# Altium PCB Dahlia Carrier Board.PcbDoc (part 1 of 10) (continued)
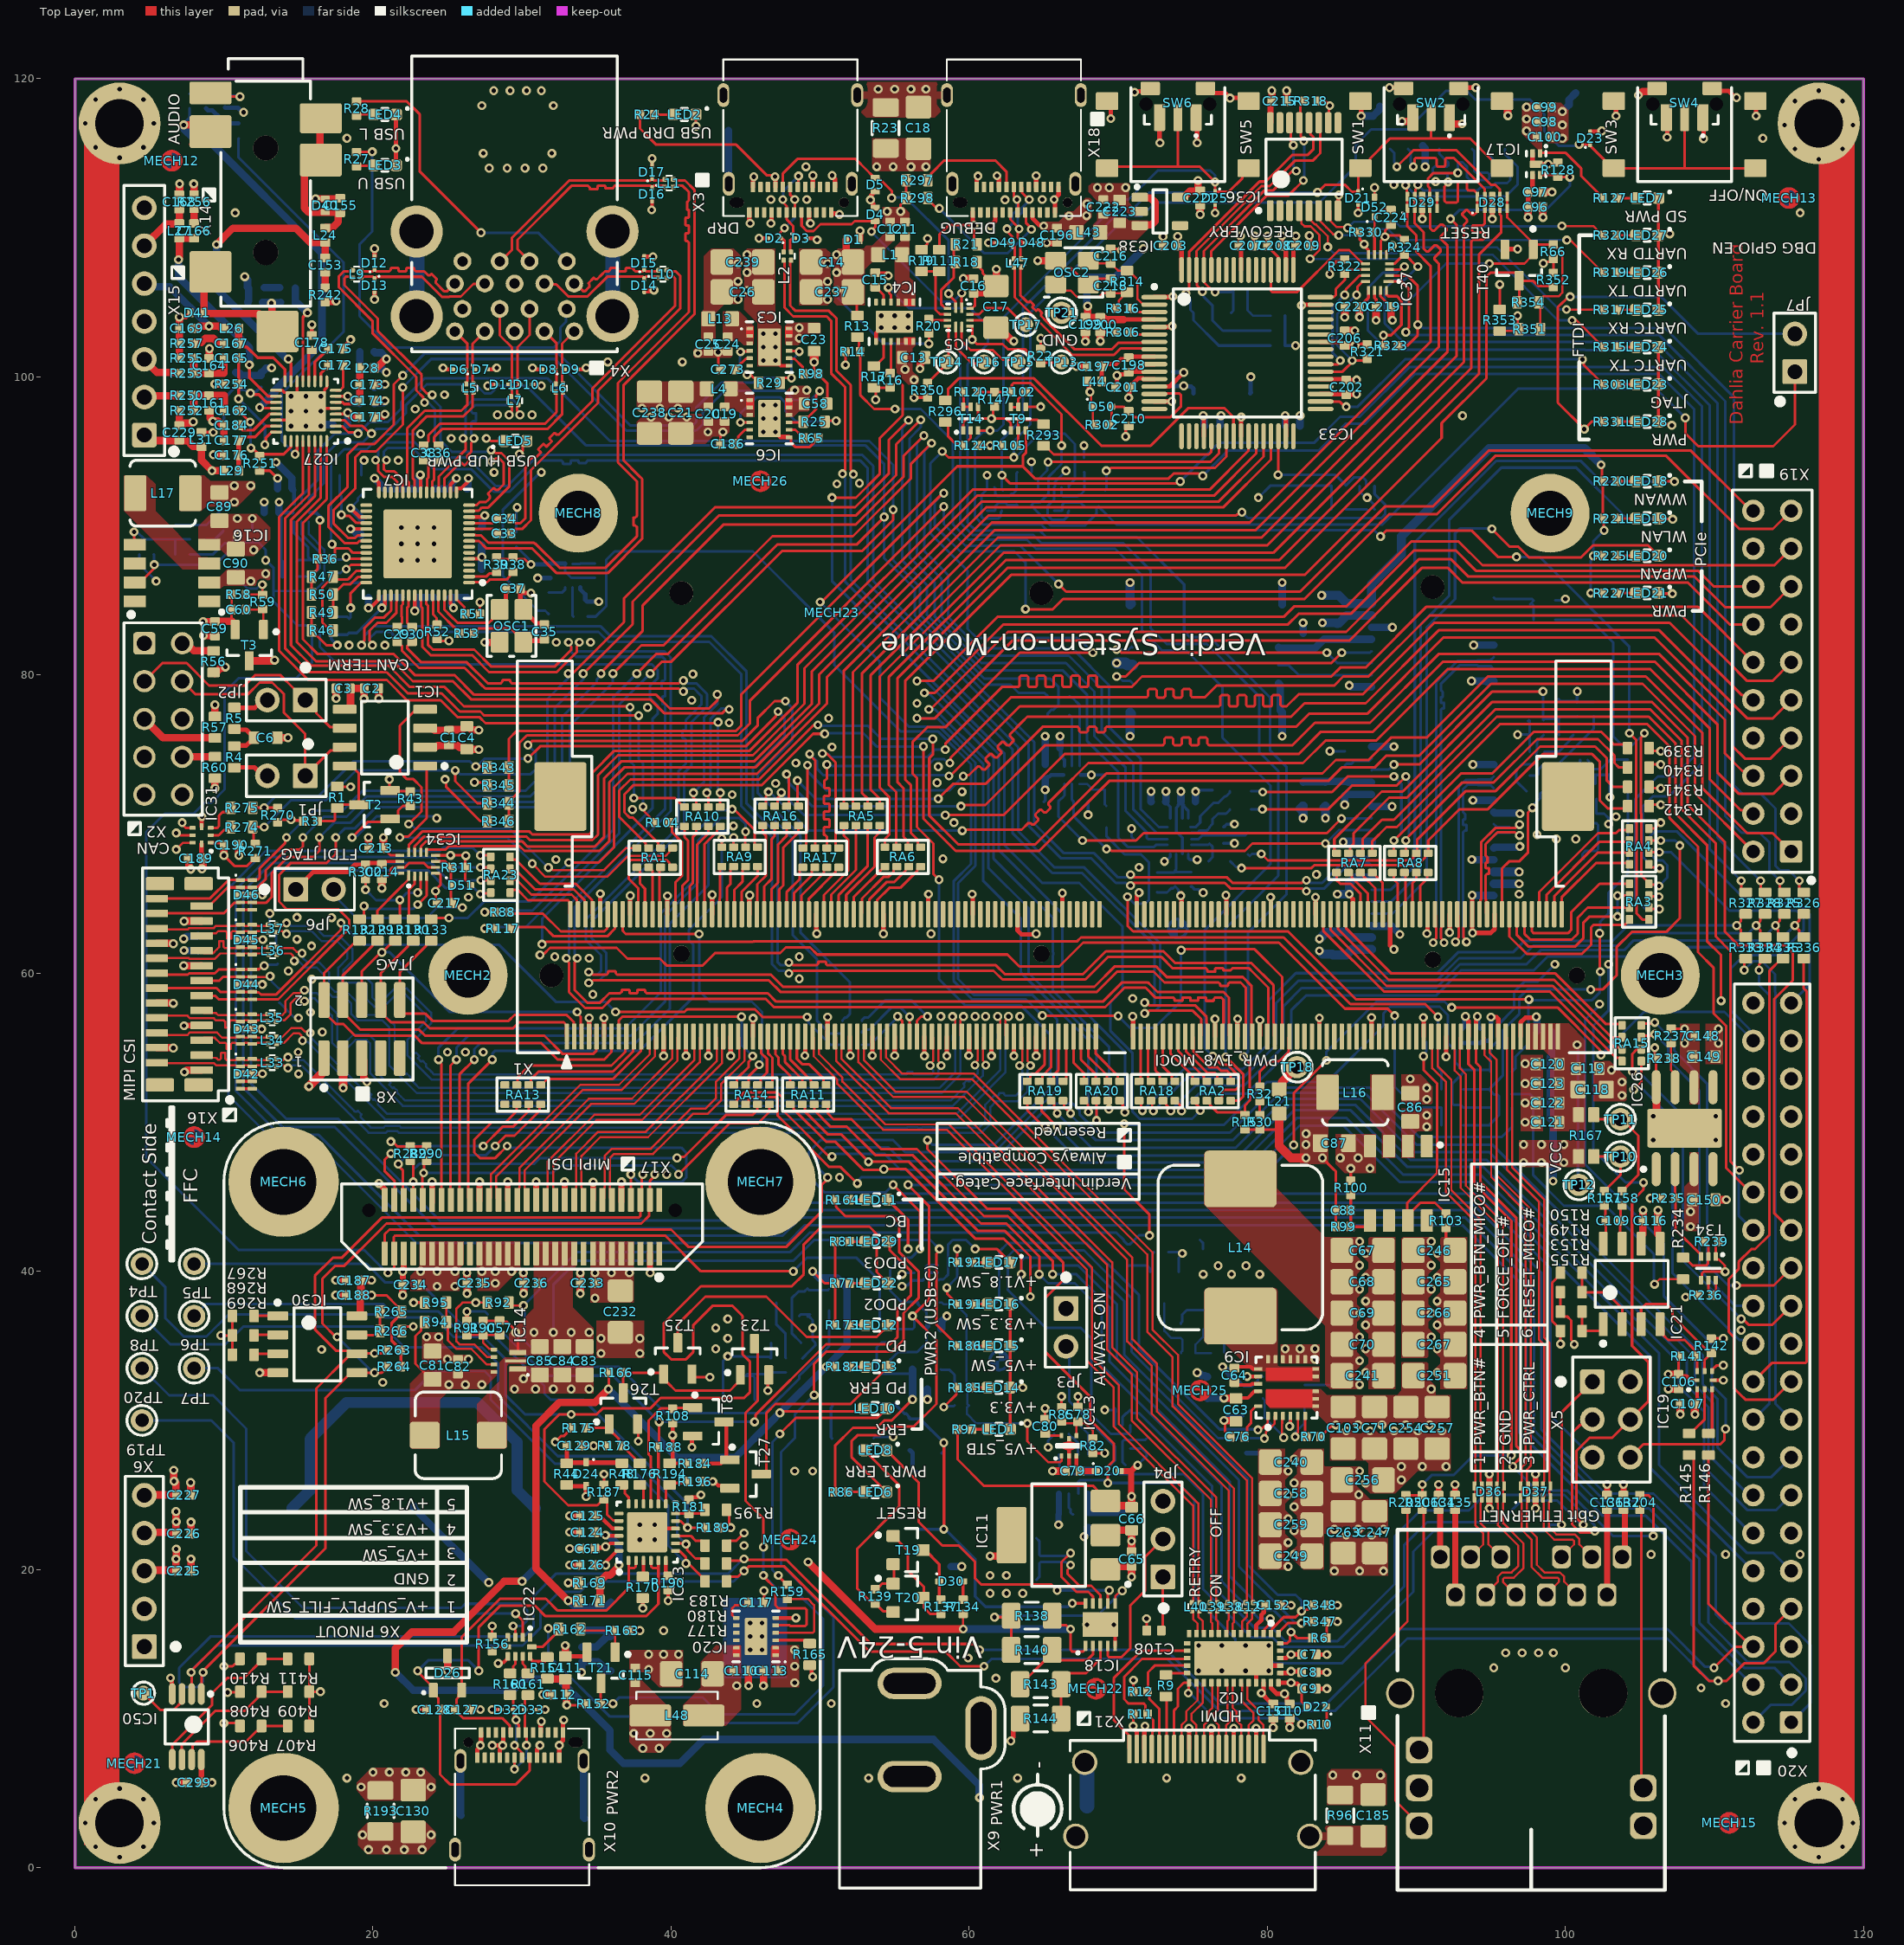
[diagram p0: Top Layer view]
## Classes and differential pairs (continued)
differential pair DSI_1_CLK: +DSI_1_CLK_P -DSI_1_CLK_N
differential pair HDMI_1_TXD2: +HDMI_1_TXD2_P -HDMI_1_TXD2_N
differential pair HDMI_1_TXD2_L: +HDMI_1_TXD2_L_P -HDMI_1_TXD2_L_N
differential pair HDMI_1_TXD2_CON: +HDMI_1_TXD2_CON_P -HDMI_1_TXD2_CON_N
differential pair HDMI_1_TXD1: +HDMI_1_TXD1_P -HDMI_1_TXD1_N
differential pair HDMI_1_TXD1_L: +HDMI_1_TXD1_L_P -HDMI_1_TXD1_L_N
differential pair HDMI_1_TXD1_CON: +HDMI_1_TXD1_CON_P -HDMI_1_TXD1_CON_N
differential pair HDMI_1_TXD0: +HDMI_1_TXD0_P -HDMI_1_TXD0_N
differential pair HDMI_1_TXD0_L: +HDMI_1_TXD0_L_P -HDMI_1_TXD0_L_N
differential pair HDMI_1_TXD0_CON: +HDMI_1_TXD0_CON_P -HDMI_1_TXD0_CON_N
differential pair HDMI_1_TXC: +HDMI_1_TXC_P -HDMI_1_TXC_N
differential pair HDMI_1_TXC_L: +HDMI_1_TXC_L_P -HDMI_1_TXC_L_N
differential pair HDMI_1_TXC_CON: +HDMI_1_TXC_CON_P -HDMI_1_TXC_CON_N
differential pair CSI_1_D3_CON: +CSI_1_D3_CON_P -CSI_1_D3_CON_N
differential pair CSI_1_D2_CON: +CSI_1_D2_CON_P -CSI_1_D2_CON_N
differential pair CSI_1_D1_CON: +CSI_1_D1_CON_P -CSI_1_D1_CON_N
differential pair CSI_1_D0_CON: +CSI_1_D0_CON_P -CSI_1_D0_CON_N
differential pair CSI_1_CLK_CON: +CSI_1_CLK_CON_P -CSI_1_CLK_CON_N
differential pair USBH3_SSTX_C: +USBH3_SSTX_C_P -USBH3_SSTX_C_N
differential pair USBH2_SSTX_C: +USBH2_SSTX_C_P -USBH2_SSTX_C_N
differential pair USB_2_SSRX_C: +USB_2_SSRX_C_P -USB_2_SSRX_C_N
differential pair USBH3_SSTX_CON: +USBH3_SSTX_CON_P -USBH3_SSTX_CON_N
differential pair USBH3_SSRX_CON: +USBH3_SSRX_CON_P -USBH3_SSRX_CON_N
differential pair USBH3_D_CON: +USBH3_D_CON_P -USBH3_D_CON_N
differential pair USBH2_SSTX_CON: +USBH2_SSTX_CON_P -USBH2_SSTX_CON_N
differential pair USBH2_SSRX_CON: +USBH2_SSRX_CON_P -USBH2_SSRX_CON_N
differential pair USBH2_D_CON: +USBH2_D_CON_P -USBH2_D_CON_N
differential pair USB_1_D_CON: +USB_1_D_CON_P -USB_1_D_CON_N
differential pair USBH3_D: +USBH3_D_P -USBH3_D_N
differential pair USBH4_D: +USBH4_D_P -USBH4_D_N
differential pair USBH3_SSTX: +USBH3_SSTX_P -USBH3_SSTX_N
differential pair USBH3_SSRX: +USBH3_SSRX_P -USBH3_SSRX_N
differential pair USB_DBG_CON: +USB_DBG_CON_P -USB_DBG_CON_N
differential pair USBH2_SSTX: +USBH2_SSTX_P -USBH2_SSTX_N
differential pair USBH2_SSRX: +USBH2_SSRX_P -USBH2_SSRX_N
differential pair USBH2_D: +USBH2_D_P -USBH2_D_N
differential pair USB_DBG: +USB_DBG_P -USB_DBG_N
differential pair USB_2_SSTX: +USB_2_SSTX_P -USB_2_SSTX_N
differential pair USB_2_SSRX: +USB_2_SSRX_P -USB_2_SSRX_N
differential pair USB_2_D: +USB_2_D_P -USB_2_D_N
differential pair USB_1_D: +USB_1_D_P -USB_1_D_N
differential pair PCIE_1_L0_TX: +PCIE_1_L0_TX_P -PCIE_1_L0_TX_N
differential pair PCIE_1_L0_RX: +PCIE_1_L0_RX_P -PCIE_1_L0_RX_N
differential pair PCIE_1_CLK: +PCIE_1_CLK_P -PCIE_1_CLK_N
differential pair ETH_1_MDI3: +ETH_1_MDI3_P -ETH_1_MDI3_N
differential pair ETH_1_MDI2: +ETH_1_MDI2_P -ETH_1_MDI2_N
differential pair ETH_1_MDI1: +ETH_1_MDI1_P -ETH_1_MDI1_N
differential pair ETH_1_MDI0: +ETH_1_MDI0_P -ETH_1_MDI0_N
differential pair CSI_1_D3: +CSI_1_D3_P -CSI_1_D3_N
differential pair CSI_1_D2: +CSI_1_D2_P -CSI_1_D2_N
differential pair CSI_1_D1: +CSI_1_D1_P -CSI_1_D1_N
differential pair CSI_1_D0: +CSI_1_D0_P -CSI_1_D0_N
differential pair CSI_1_CLK: +CSI_1_CLK_P -CSI_1_CLK_N

## Components (designator, comment, footprint, x,y, rotation, side; value= is the part's Value field where it differs from the comment)
BAT1 "Keystone-3000" T_KEYSTONE_3000 22.73,24.1 r0 bottom locked
C1 "100nF" CAPC1005X60N 25.1,75.8 r90 top locked
C2 "100nF" CAPC1005X60N 19.9,79.1 r180 top locked
C3 "1uF" CAPC1005X60N 18,79.1 r0 top locked
C4 "10uF" T_CAPC0603X33N 26.3,75.8 r90 top locked
C6 "4.7nF" T_CAPC0603X33N 12.8,75.8 r180 top locked
C7 "100nF" CAPC1005X60N 82.8,14.3 r180 top locked
C8 "100nF" CAPC1005X60N 82.8,13.1 r0 top locked
C9 "100nF" CAPC1005X60N 82.8,12 r180 top locked
C10 "100nF" CAPC1005X60N 81.5,10.5 r90 top locked
C11 "100nF" CAPC1005X60N 55.7,109.9 r270 top locked
C12 "1nF" CAPC1005X60N 54.7,109.9 r270 top locked
C13 "10uF" T_CAPC0603X33N 56.275,101.3 r180 top locked
C14 "100uF" T_CAPC1206X60N 50.797,107.7 r0 top locked
C15 "10nF" CAPC1005X60N 53.7,106.5 r270 top locked
C16 "100nF" CAPC1005X60N 60.3,106.1 r270 top locked
C17 "10uF" T_CAPC1206X60N 61.8,104.7 r90 top locked
C18 "1nF" T_CAPC1206X180N 56.6,116.7 r90 top locked
C19 "100nF" CAPC1005X60N 43.6,97.5 r90 top locked
C20 "1nF" CAPC1005X60N 42.5,97.5 r90 top locked
C21 "100uF" T_CAPC1206X60N 40.652,97.606 r90 top locked
C22 "1nF" T_CAPC1206X180N 30.9,116.6 r90 bottom locked
C23 "10uF" T_CAPC0603X33N 49.6,102.5 r90 top locked
C24 "100nF" CAPC1005X60N 43.8,102.2 r90 top locked
C25 "1nF" CAPC1005X60N 42.5,102.2 r90 top locked
C26 "100uF" T_CAPC1206X60N 44.8,105.7 r180 top locked
C27 "100nF" CAPC1005X60N 31.9,87 r90 bottom locked
C28 "10uF" CAPC1005X60N 18.5,85.7 r270 bottom locked
C29 "100nF" CAPC1005X60N 21.625,82.725 r270 top locked
C30 "100nF" CAPC1005X60N 22.625,82.725 r270 top locked
C31 "100nF" CAPC1005X60N 13.2,90.9 r0 bottom locked
C32 "100nF" CAPC1005X60N 14.1,92.5 r0 bottom locked
C33 "100nF" CAPC1005X60N 28.8,89.5 r180 top locked
C34 "100nF" CAPC1005X60N 28.8,90.5 r180 top locked
C35 "12pF" CAPC1005X60N 31.5,82.9 r90 top locked
C36 "100nF" CAPC1005X60N 24.4,94.9 r270 top locked
C37 "12pF" CAPC1005X60N 29.4,85.8 r0 top locked
C38 "100nF" CAPC1005X60N 23.4,94.9 r270 top locked
C39 "100nF" CAPC1005X60N 25.2,92 r90 bottom locked
C40 "100nF" CAPC1005X60N 19.7,90.5 r180 bottom locked
C41 "100nF" CAPC1005X60N 21.9,85.7 r270 bottom locked
C42 "100nF" CAPC1005X60N 26.3,85.7 r270 bottom locked
C43 "1nF" CAPC1005X60N 20.8,85.7 r270 bottom locked
C44 "1nF" CAPC1005X60N 25.2,85.7 r270 bottom locked
C45 "4.7uF" CAPC1005X60N 24.1,92 r90 bottom locked
C46 "10uF" CAPC1005X60N 26.8,87.1 r0 bottom locked
C47 "100nF" CAPC1005X60N 26.8,88.7 r0 bottom locked
C48 "100nF" CAPC1005X60N 26.8,89.9 r0 bottom locked
C49 "100nF" CAPC1005X60N 26.3,92 r90 bottom locked
C50 "100nF" CAPC1005X60N 23,92 r90 bottom locked
C51 "100nF" CAPC1005X60N 21.9,92 r90 bottom locked
C52 "100nF" CAPC1005X60N 20.8,92 r90 bottom locked
C53 "100nF" CAPC1005X60N 19.7,89.4 r180 bottom locked
C54 "100nF" CAPC1005X60N 24.1,85.7 r270 bottom locked
C55 "1nF" CAPC1005X60N 19.7,85.7 r270 bottom locked
C56 "1nF" CAPC1005X60N 23,85.7 r270 bottom locked
C57 "12pF" CAPC1005X60N 28.5,36.2 r270 top locked
C58 "10uF" T_CAPC0603X33N 49.7,98.2 r180 top locked
C59 "4.7uF" CAPC1005X60N 9.4,83.1 r90 top locked
C60 "100nF" CAPC1005X60N 11,84.4 r180 top locked
C61 "1uF" CAPC1005X60N 34.4,21.4 r180 top locked
C62 "100nF" CAPC1005X60N 68,23.3 r90 bottom locked
C63 "4.7uF" T_CAPC0603X33N 77.9,30.7 r90 top locked
C64 "100nF" CAPC1005X60N 77.8,33.025 r270 top locked
C65 "100nF" CAPC1005X60N 70.9,20.7 r270 top locked
C66 "10uF" T_CAPC0603X33N 70.9,23.4 r90 top locked
C67 "100uF" T_CAPC1206X60N 86.4,41.4 r180 top locked
C68 "100uF" T_CAPC1206X60N 86.4,39.3 r180 top locked
C69 "100uF" T_CAPC1206X60N 86.4,37.2 r180 top locked
C70 "100uF" T_CAPC1206X60N 86.4,35.1 r180 top locked
C71 "10uF" T_CAPC1206X60N 87.2,29.5 r90 top locked
C72 "10uF" T_CAPC1206X60N 81.6,22.9 r0 bottom locked
C73 "10nF" CAPC1005X60N 66.5,23.7 r0 bottom locked
C74 "1uF" CAPC1005X60N 66.2,29.1 r0 bottom locked
C76 "100nF" CAPC1005X60N 78,28.9 r0 top locked
C77 "100nF" CAPC1005X60N 56.7,32.1 r0 bottom locked
C78 "1uF" CAPC1005X60N 67.3,30.4 r270 top locked
C79 "4.7uF" CAPC1005X60N 66.95,26.6 r0 top locked
C80 "1nF" CAPC1005X60N 65.1,29.6 r270 top locked
C81 "22uF" T_CAPC0805X125N 24,33.7 r270 top locked
C82 "100nF" CAPC1005X60N 25.7,33.6 r270 top locked
C83 "22uF" T_CAPC0805X125N 34.2,34 r90 top locked
C84 "22uF" T_CAPC0805X125N 32.7,34 r90 top locked
C85 "22uF" T_CAPC0805X125N 31.2,34 r90 top locked
C86 "22uF" T_CAPC0805X125N 89.6,51 r270 top locked
C87 "22uF" T_CAPC0805X125N 84.5,48.6 r180 top locked
C88 "100pF" CAPC1005X60N 85.1,44.1 r180 top locked
C89 "22uF" T_CAPC0805X125N 9.7,91.3 r90 top locked
C90 "22uF" T_CAPC0805X125N 10.8,87.5 r270 top locked
C91 "100pF" CAPC1005X60N 7.734,89.594 r90 bottom locked
C92 "10nF" CAPC1005X60N 76.7,34.5 r0 bottom locked
C93 "10uF" T_CAPC1206X60N 36.6,36.4 r90 bottom locked
C94 "10nF" CAPC1005X60N 46.7,33.7 r90 bottom locked
C95 "10uF" T_CAPC1206X60N 48.9,24 r270 bottom locked
C96 "10uF" CAPC1005X60N 98,111.4 r180 top locked
C97 "100nF" CAPC1005X60N 98,112.4 r180 top locked
C98 "1nF" CAPC1005X60N 98.6,117.1 r180 top locked
C99 "100nF" CAPC1005X60N 98.6,118.1 r180 top locked
C100 "100pF" CAPC1005X60N 98.6,116.1 r180 top locked
C101 "10uF" T_CAPC1206X60N 87.2,22.5 r90 bottom locked
C102 "10uF" T_CAPC1206X60N 81.6,27.1 r0 bottom locked
C103 "10uF" T_CAPC1206X60N 85.1,29.5 r90 top locked
C104 "5.6nF" T_CAPC1206X180N 52.2,28.8 r180 bottom locked
C105 "100nF" CAPC1005X60N 58.3,20.2 r180 bottom locked
C106 "100nF" CAPC1005X60N 107.6,32.6 r90 top locked
C107 "100nF" CAPC1005X60N 108.2,31.1 r0 top locked
C108 "100nF" CAPC1005X60N 72.4,15.9 r180 top locked
C109 "100nF" CAPC1005X60N 103.2,43.4 r180 top locked
C110 "100nF" CAPC1005X60N 44.7,13.2 r180 top locked
C111 "4.7uF" T_CAPC0603X33N 32.9,13.4 r270 top locked
C112 "100nF" CAPC1005X60N 32.5,11.6 r0 top locked
C113 "100nF" CAPC1005X60N 46.7,13.2 r180 top locked
C114 "10uF" T_CAPC1206X60N 41.4,13 r0 top locked
C115 "100nF" CAPC1005X60N 37.6,12.9 r270 top locked
C116 "100nF" CAPC1005X60N 105.7,43.4 r0 top locked
C117 "10nF" CAPC1005X60N 45.7,17.8 r180 top locked
C118 "22uF" T_CAPC0805X125N 101.8,52.2 r180 top locked
C119 "4.7uF" T_CAPC0603X33N 101.5,53.6 r180 top locked
C120 "4.7uF" T_CAPC0603X33N 98.8,53.9 r0 top locked
C121 "4.7uF" T_CAPC0603X33N 98.8,50 r0 top locked
C122 "4.7uF" T_CAPC0603X33N 98.8,51.3 r0 top locked
C123 "4.7uF" T_CAPC0603X33N 98.8,52.6 r0 top locked
C124 "100nF" CAPC1005X60N 34.4,22.5 r0 top locked
C125 "1uF" CAPC1005X60N 34.4,23.6 r180 top locked
C126 "100nF" CAPC1005X60N 34.4,20.3 r0 top locked
C127 "330pF" CAPC1005X60N 26.01,10.6 r180 top locked
C128 "330pF" CAPC1005X60N 24.1,10.6 r0 top locked
C129 "1uF" CAPC1005X60N 33.5,28.3 r0 top locked
C130 "1nF" T_CAPC1206X180N 22.7,3.8 r270 top locked
C131 "100nF" CAPC1005X60N 34,14.3 r270 bottom locked
C132 "10uF" T_CAPC0603X33N 34,16.7 r90 bottom locked
C133 "1nF" CAPC1005X60N 94.3,55.8 r90 bottom locked
C134 "100nF" CAPC1005X60N 91.5,24.5 r90 top locked
C135 "100nF" CAPC1005X60N 92.6,24.5 r90 top locked
C136 "100nF" CAPC1005X60N 102.8,24.5 r90 top locked
C137 "100nF" CAPC1005X60N 103.9,24.5 r90 top locked
C138 "1nF" T_CAPC1206X180N 98.7,11.8 r270 bottom locked
C139 "100nF" CAPC1005X60N 65.1,73.5 r270 bottom locked
C140 "100nF" CAPC1005X60N 65.6,75.1 r0 bottom locked
C141 "10uF" CAPC1005X60N 98.048,76.976 r0 bottom locked
C142 "10uF" T_CAPC0603X33N 102.2,69.2 r0 bottom locked
C143 "100nF" CAPC1005X60N 101.6,70.7 r0 bottom locked
C144 "47uF" T_CAPC0805X125N 98.1,67.5 r270 bottom locked
C145 "47uF" T_CAPC0805X125N 84.7,84.4 r90 bottom locked
C146 "10uF" T_CAPC0603X33N 99.7,67.2 r270 bottom locked
C147 "10uF" T_CAPC0603X33N 84.4,62 r270 bottom locked
C148 "100nF" CAPC1005X60N 109.2,55.8 r180 top locked
C149 "10uF" T_CAPC0603X33N 109.3,54.4 r180 top locked
C150 "10uF" T_CAPC0603X33N 109.3,44.8 r180 top locked
C151 "1uF" CAPC1005X60N 80.4,10.5 r90 top locked
C152 "1uF" CAPC1005X60N 80.4,17.6 r0 top locked
C153 "100nF" CAPC1005X60N 16.8,107.5 r90 top locked
C154 "100nF" CAPC1005X60N 14.3,106 r0 bottom locked
C155 "470pF" CAPC1005X60N 17.8,111.5 r270 top locked
C156 "470pF" CAPC1005X60N 12.1,105 r0 bottom locked
C157 "4.7uF" CAPC1005X60N 8.5,115.9 r0 bottom locked
C158 "1uF" CAPC1005X60N 11,116.49 r90 bottom locked
C159 "470pF" CAPC1005X60N 7.7,118.5 r90 bottom locked
C161 "220pF" CAPC1005X60N 9,98.25 r90 top locked
C162 "10uF" CAPC1005X60N 10.51,97.75 r0 top locked
C164 "220pF" CAPC1005X60N 9,100.75 r270 top locked
C165 "10uF" CAPC1005X60N 10.5,101.25 r0 top locked
C166 "100nF" CAPC1005X60N 8,109.8 r270 top locked
C167 "100nF" CAPC1005X60N 10.5,102.25 r0 top locked
C168 "470pF" CAPC1005X60N 7,111.74 r270 top locked
C169 "470pF" CAPC1005X60N 7.5,103.25 r0 top locked
C170 "4.7uF" CAPC1005X60N 17.8,96.8 r0 bottom locked
C171 "100nF" CAPC1005X60N 19.6,97.3 r180 top locked
C172 "2.2uF" CAPC1005X60N 17.5,100.8 r0 top locked
C173 "4.7uF" CAPC1005X60N 19.6,99.5 r180 top locked
C174 "100nF" CAPC1005X60N 19.6,98.4 r180 top locked
C175 "4.7uF" CAPC1005X60N 17.5,101.9 r180 top locked
C176 "2.2uF" CAPC1005X60N 10.49,94.75 r0 top locked
C177 "100nF" CAPC1005X60N 10.5,95.75 r0 top locked
C178 "4.7uF" CAPC1005X60N 15.9,102.3 r270 top locked
C179 "4.7uF" CAPC1005X60N 19.6,100.6 r180 bottom locked
C180 "100nF" CAPC1005X60N 19.6,99.3 r180 bottom locked
C181 "1nF" CAPC1005X60N 19.6,98.2 r180 bottom locked
C182 "4.7uF" CAPC1005X60N 12.5,99.8 r270 bottom locked
C183 "100nF" CAPC1005X60N 10.8,99.8 r270 bottom locked
C184 "4.7uF" CAPC1005X60N 10.5,96.75 r0 top locked
C185 "1nF" T_CAPC1206X180N 87.1,3.5 r270 top locked
C186 "10nF" CAPC1005X60N 43.8,95.5 r0 top locked
C187 "100nF" CAPC1005X60N 18.7,39.4 r0 top locked
C188 "1uF" CAPC1005X60N 18.7,38.4 r0 top locked
C189 "100nF" CAPC1005X60N 8.1,67.7 r0 top locked
C190 "100nF" CAPC1005X60N 10.5,68.6 r180 top locked
C191 "100nF" CAPC1005X60N 72.7,71.5 r0 bottom locked
C192 "100nF" CAPC1005X60N 74.7,71.5 r180 bottom locked
C193 "100nF" CAPC1005X60N 8.25,63 r90 bottom locked
C194 "100nF" CAPC1005X60N 8.25,61 r270 bottom locked
C195 "10uF" CAPC1005X60N 74.9,66.3 r270 bottom locked
C196 "1nF" CAPC1005X60N 65.9,109.5 r90 top locked
C197 "4.7uF" CAPC1005X60N 68.4,100.7 r0 top locked
C198 "100nF" CAPC1005X60N 70.7,100.8 r90 top locked
C199 "4.7uF" CAPC1005X60N 67.8,103.51 r90 top locked
C200 "100nF" CAPC1005X60N 68.8,103.5 r90 top locked
C201 "100nF" CAPC1005X60N 70.3,99.3 r0 top locked
C202 "100nF" CAPC1005X60N 85.3,99.3 r90 top locked
C203 "100nF" CAPC1005X60N 73.5,108.8 r0 top locked
C204 "100nF" CAPC1005X60N 76.3,96.7 r180 bottom locked
C205 "100nF" CAPC1005X60N 81.7,96.7 r180 bottom locked
C206 "100nF" CAPC1005X60N 85.2,102.6 r270 top locked
C207 "100nF" CAPC1005X60N 78.6,108.8 r180 top locked
C208 "100nF" CAPC1005X60N 80.5,108.8 r0 top locked
C209 "4.7uF" CAPC1005X60N 82.4,108.8 r180 top locked
C210 "100nF" CAPC1005X60N 70.7,97.2 r90 top locked
C212 "100nF" CAPC1005X60N 73.7,99.85 r270 bottom locked
C213 "100nF" CAPC1005X60N 20.2,68.4 r0 top locked
C214 "100nF" CAPC1005X60N 20.6,66.8 r90 top locked
C215 "100nF" CAPC1005X60N 80.8,118.5 r180 top locked
C216 "12pF" CAPC1005X60N 69.5,108.1 r90 top locked
C217 "10uF" CAPC1005X60N 24.8,64.7 r180 top locked
C218 "12pF" CAPC1005X60N 69.5,106.1 r270 top locked
C219 "100nF" CAPC1005X60N 87.8,104.7 r180 top locked
C220 "100nF" CAPC1005X60N 85.7,104.7 r0 top locked
C221 "10uF" CAPC1005X60N 75.5,112 r90 top locked
C222 "100nF" CAPC1005X60N 69,111.4 r270 top locked
C223 "10uF" T_CAPC0603X33N 70.1,111.1 r270 top locked
C224 "10uF" CAPC1005X60N 88.3,110.7 r270 top locked
C225 "100nF" CAPC1005X60N 7.3,19.9 r180 top locked
C226 "100nF" CAPC1005X60N 7.3,22.4 r180 top locked
C227 "100nF" CAPC1005X60N 7.3,25 r180 top locked
C228 "1nF" CAPC1005X60N 93.1,55.8 r90 bottom locked
C229 "100nF" CAPC1005X60N 7,96.25 r90 top locked
C230 "100nF" CAPC1005X60N 82.4,82.3 r270 bottom locked
C231 "100nF" CAPC1005X60N 85.2,72.41 r90 bottom locked
C232 "10uF" T_CAPC1206X60N 36.6,37.3 r90 top locked
C233 "1nF" CAPC1005X60N 34.4,39.2 r0 top locked
C234 "100nF" CAPC1005X60N 22.5,39.1 r0 top locked
C235 "100nF" CAPC1005X60N 26.8,39.2 r0 top locked
C236 "100nF" CAPC1005X60N 30.6,39.2 r0 top locked
C237 "100uF" T_CAPC1206X60N 50.8,105.7 r0 top locked
C238 "100uF" T_CAPC1206X60N 38.552,97.606 r90 top locked
C239 "100uF" T_CAPC1206X60N 44.8,107.7 r180 top locked
C240 "10uF" T_CAPC1206X60N 81.6,27.2 r0 top locked
C241 "100uF" T_CAPC1206X60N 86.4,33 r180 top locked
C242 "100uF" T_CAPC1206X60N 86.4,41.4 r180 bottom locked
C243 "100uF" T_CAPC1206X60N 86.4,39.3 r180 bottom locked
C244 "100uF" T_CAPC1206X60N 86.4,37.2 r180 bottom locked
C245 "100uF" T_CAPC1206X60N 86.4,35.1 r180 bottom locked
C246 "100uF" T_CAPC1206X60N 91.2,41.4 r180 top locked
C247 "10uF" T_CAPC1206X60N 87.2,22.5 r90 top locked
C248 "10uF" T_CAPC1206X60N 85.1,22.5 r90 bottom locked
C249 "10uF" T_CAPC1206X60N 81.6,20.9 r0 top locked
C250 "10uF" T_CAPC1206X60N 86.4,26 r180 bottom locked
C251 "10uF" T_CAPC1206X60N 91.2,33 r180 top locked
C252 "10uF" T_CAPC1206X60N 89.3,29.5 r90 bottom locked
C253 "10uF" T_CAPC1206X60N 81.6,20.8 r0 bottom locked
C254 "10uF" T_CAPC1206X60N 89.3,29.5 r90 top locked
C255 "10uF" T_CAPC1206X60N 91.2,33 r180 bottom locked
C256 "10uF" T_CAPC1206X60N 86.4,26 r180 top locked
C257 "10uF" T_CAPC1206X60N 91.4,29.5 r90 top locked
C258 "10uF" T_CAPC1206X60N 81.6,25.1 r0 top locked
C259 "10uF" T_CAPC1206X60N 81.6,23 r0 top locked
C260 "10uF" T_CAPC1206X60N 87.2,29.5 r90 bottom locked
C261 "10uF" T_CAPC1206X60N 91.4,29.5 r90 bottom locked
C262 "10uF" T_CAPC1206X60N 81.6,25 r0 bottom locked
C263 "10uF" T_CAPC1206X60N 85.1,22.5 r90 top locked
C264 "10uF" T_CAPC1206X60N 85.1,29.5 r90 bottom locked
C265 "100uF" T_CAPC1206X60N 91.2,39.3 r180 top locked
C266 "100uF" T_CAPC1206X60N 91.2,37.2 r180 top locked
C267 "100uF" T_CAPC1206X60N 91.2,35.1 r180 top locked
C268 "100uF" T_CAPC1206X60N 91.2,41.4 r180 bottom locked
C269 "100uF" T_CAPC1206X60N 91.2,39.3 r180 bottom locked
C270 "100uF" T_CAPC1206X60N 91.2,37.2 r180 bottom locked
C271 "100uF" T_CAPC1206X60N 86.4,33 r180 bottom locked
C272 "100uF" T_CAPC1206X60N 91.2,35.1 r180 bottom locked
C273 "10nF" CAPC1005X60N 43.8,100.5 r0 top locked
C299 "100nF" CAPC1005X60N 8,5.7 r0 top locked
D1 "D5V0L1B2S9-7" D-DIODES-SOD-923 52.2,109.2 r180 top locked
D2 "ESD9101P2T5G" SOD-923 46.9,109.3 r180 top locked
D3 "ESD9101P2T5G" SOD-923 48.7,109.3 r0 top locked
D4 "D5V0L1B2S9-7" D-DIODES-SOD-923 53.7,110.9 r270 top locked
D5 "D5V0L1B2S9-7" D-DIODES-SOD-923 53.7,112.9 r90 top locked
D6 "ESD9101P2T5G" SOD-923 25.75,100.5 r180 top locked
D7 "ESD9101P2T5G" SOD-923 27.25,100.5 r0 top locked
D8 "ESD9101P2T5G" SOD-923 31.75,100.5 r180 top locked
D9 "ESD9101P2T5G" SOD-923 33.25,100.5 r0 top locked
D10 "ESD9101P2T5G" SOD-923 30.3,99.5 r0 top locked
D11 "ESD9101P2T5G" SOD-923 28.7,99.5 r180 top locked
D12 "ESD9101P2T5G" SOD-923 20.1,107.65 r90 top locked
D13 "ESD9101P2T5G" SOD-923 20.1,106.15 r270 top locked
D14 "ESD9101P2T5G" SOD-923 38.2,106.15 r270 top locked
D15 "ESD9101P2T5G" SOD-923 38.2,107.65 r90 top locked
D16 "ESD9101P2T5G" SOD-923 38.725,112.25 r270 top locked
D17 "ESD9101P2T5G" SOD-923 38.725,113.75 r90 top locked
D18 "BAT54XV2T5G" SOD-523 17.1,83.3 r90 bottom locked
D19 "BAT54XV2T5G" SOD-523 15.9,83.3 r90 bottom locked
D20 "1N4148WT" SOD-523F 69.3,26.6 r0 top locked
D21 "ESD9101P2T5G" SOD-923 86.1,112 r270 top locked
D22 "BAT54XV2T5G" SOD-523 83.3,10.8 r180 top locked
D23 "ESD9101P2T5G" SOD-923 101.65,116 r90 top locked
D24 "1N4148WT" SOD-523F 34.3,26.4 r270 top locked
D25 "ESD9101P2T5G" SOD-923 76.5,112 r270 top locked
D26 "PESD2IVN24-T" SOT95P230X110-3N 25,13.05 r90 top locked
D27 "MM3Z10VT1G" T_SOD-323 44.6,31.3 r0 bottom locked
D28 "D3V3F4U10LP-7" D-DIODES-D3V3F4U10LP-7 95.1,111.7 r90 top locked
D29 "D3V3F4U10LP-7" D-DIODES-D3V3F4U10LP-7 90.4,111.7 r90 top locked
D30 "1N4148WT" SOD-523F 58.8,19.2 r0 top locked
D31 "MM3Z10VT1G" T_SOD-323 56,29.1 r270 bottom locked
D32 "ESD9101P2T5G" SOD-923 29,10.6 r180 top locked
D33 "ESD9101P2T5G" SOD-923 30.6,10.6 r0 top locked
D36 "D3V3F4U10LP-7" D-DIODES-D3V3F4U10LP-7 94.9,25.2 r90 top locked
D37 "D3V3F4U10LP-7" D-DIODES-D3V3F4U10LP-7 98,25.2 r90 top locked
D38 "BAT54XV2T5G" SOD-523 99.548,77.726 r270 bottom locked
D39 "D5V0L1B2S9-7" D-DIODES-SOD-923 10.1,118.5 r90 bottom locked
D40 "D5V0L1B2S9-7" D-DIODES-SOD-923 16.8,111.5 r270 top locked
D41 "D5V0L1B2S9-7" D-DIODES-SOD-923 8.2,104.3 r0 top locked
D42 "D3V3F4U10LP-7" D-DIODES-D3V3F4U10LP-7 11.5,53.25 r0 top locked
D43 "D3V3F4U10LP-7" D-DIODES-D3V3F4U10LP-7 11.5,56.25 r0 top locked
D44 "D3V3F4U10LP-7" D-DIODES-D3V3F4U10LP-7 11.5,59.25 r0 top locked
D45 "D3V3F4U10LP-7" D-DIODES-D3V3F4U10LP-7 11.5,62.25 r0 top locked
D46 "D3V3F4U10LP-7" D-DIODES-D3V3F4U10LP-7 11.5,65.25 r0 top locked
D47 "BAT54XV2T5G" SOD-523 72.6,66.1 r270 bottom locked
D48 "ESD9101P2T5G" SOD-923 64.2,109 r0 top locked
D49 "ESD9101P2T5G" SOD-923 62.3,109 r180 top locked
D50 "BAT54XV2T5G" SOD-523 68.9,98 r0 top locked
D51 "BAT54XV2T5G" SOD-523 25.9,65.9 r0 top locked
D52 "BAT54XV2T5G" SOD-523 87.2,111.4 r90 top locked
IC1 "MCP2558FDT-H/SN" IC-SOIC-8 20.8,75.8 r180 top locked
IC2 "HDMI2C1-14HD" QFN50P350X650X95_HS-37N 77.75,14.05 r270 top locked
IC3 "AOZ1353DI-01" IC-A&O-AOZ1353DI-01 46.6,102 r0 top locked
IC4 "AOZ1353DI-01" IC-A&O-AOZ1353DI-01 55,103.7 r270 top locked
IC5 "TUSB321AIRWBR" IC-TI-TUSB321AIRWBR 59.3,104 r270 top locked
IC6 "AOZ1353DI-01" IC-A&O-AOZ1353DI-01 46.6,97.2 r0 top locked
IC7 "USB5744T-I/2G" IC-QFN40P700X700X100_HS-57N 23,88.8 r180 top locked
IC8 "FXMA2102L8X" IC-MICROPAK50P160X2160X55-8N 15.2,90.9 r0 bottom locked
IC9 "AOZ2261AQI-15" T_QFN50P400X400X100-22N 81.3,32.2 r90 top locked
IC10 "LTC2954ITS8-2#PBF" T_LINEAR_LTC2954CTS8-2#PBF 67,26.4 r180 bottom locked
IC11 "NCV4274CST50T3G" T_ON_NCV4264-2ST50T3G 66,22.3 r180 top locked
IC12 "NC7SZ126M5X" SOT95P279X142-5N 57.15,34.775 r270 bottom locked
IC13 "BD4142HFV-TR" IC-ROHM-BD4142HFV-TR 66.7,28.3 r90 top locked
IC14 "TPS61022RWUR" T_TI_TPS61022RWUR 29.1,34 r90 top locked
IC15 "PAM2310BECADJR" IC-SO-8EP 88.8,45.9 r270 top locked
IC16 "PAM2310BECADJR" IC-SO-8EP 6.516,86.844 r180 top locked
IC17 "MIC94073YMT" T_TDFN0P120X160X60-4N 98.05,114.275 r180 top locked
IC18 "LTC4368IDD-2#PBF" IC-DFN50P300X300X75-10N 68.8,16.3 r90 top locked
IC19 "FXMA2102L8X" IC-MICROPAK50P160X2160X55-8N 109.345,32.7 r0 top locked
IC20 "AOZ1327DI-01" IC-A&O-AOZ1327DI-01 45.7,15.5 r180 top locked
IC21 "INA219" SOIC127P600X173-8N 104.45,39.15 r90 top locked
IC22 "BQ24392RSER" IC-TI-BQ24392RSER 29.8,14.8 r180 top locked
IC23 "STUSB4500QTR" T_STUSB4500QTR 38.4,22.5 r90 top locked
IC24 "NCV4274CST50T3G" T_ON_NCV4264-2ST50T3G 39.1,15.5 r0 bottom locked
IC25 "FXMA2102L8X" IC-MICROPAK50P160X2160X55-8N 66.9,73.3 r0 bottom locked
IC26 "IC-Semtech-SC4215A" IC-SOIC127P650X175_HS-8N 108,49.6 r90 top locked
IC27 "WM8904CGEFL/RV" IC-QFN40P400X400X80_HS-33N 15.5,97.7 r180 top locked
IC30 "M24C02-FMN6TP" IC-SOIC-8N 16.267,35.103 r0 top locked
IC31 "FXMA2102L8X" IC-MICROPAK50P160X2160X55-8N 8.5,69.25 r90 top locked
IC32 "SN74AVC4T774RSVR" IC-UQFN40P180X210X55-16N 74.1,69.2 r180 bottom locked
IC33 "FT4232HL" LQFP-64 78,101.6 r0 top locked
IC34 "SN74AVC4T774RSVR" IC-UQFN40P180X210X55-16N 23,67.3 r90 top locked
IC35 "93LC46BT" SOIC127P600X173-8N 76.95,101.6 r270 bottom locked
IC36 "SN74HC595PW" IC_TSOP65P640X120-16N 82.475,114.1 r90 top locked
IC37 "SN74AVC4T774RSVR" IC-UQFN40P180X210X55-16N 87.4,107 r180 top locked
IC38 "NCP511SN33T1G" SOT95P279X142-5N 72.8,111.1 r0 top locked
IC50 "TMP75CIDGKR" IC-TSOP65P490X110-8N 7.506,9.448 r270 top locked
JP1 "TSW-101-07-G-D" T_SAMTEC_TSW-101-07-G-D 15.455,73.24 r90 top locked
JP2 "TSW-101-07-G-D" T_SAMTEC_TSW-101-07-G-D 15.455,78.32 r90 top locked
JP3 "TSW-101-07-G-D" T_SAMTEC_TSW-101-07-G-D 66.5,37.5 r180 top locked
JP4 "826936-3" T_TYCO_826936-3 73,19.5 r90 top locked
JP6 "TSW-101-07-G-D" T_SAMTEC_TSW-101-07-G-D 14.82,65.62 r270 top locked
JP7 "TSW-101-07-G-D" T_SAMTEC_TSW-101-07-G-D 115.4,100.35 r0 top locked
L1 "220R@100MHz" INDC1608X95N 54.7,108.2 r180 top locked
L2 "12R@100MHz" T_PANASONIC_EXC14CH120U 47.8,108.1 r90 top locked
L3 "33R@100MHz" INDC1608X95N 82.4,72 r270 bottom locked
L4 "220R@100MHz" INDC1608X95N 43.2,99.2 r180 top locked
L5 "12R@100MHz" T_PANASONIC_EXC14CH120U 26.5,99.25 r90 top locked
L6 "12R@100MHz" T_PANASONIC_EXC14CH120U 32.5,99.25 r90 top locked
L7 "12R@100MHz" T_PANASONIC_EXC14CH120U 29.5,98.4 r90 top locked
L8 "33R@100MHz" INDC1608X95N 83.9,72 r270 bottom locked
L9 "12R@100MHz" T_PANASONIC_EXC14CH120U 18.9,106.9 r0 top locked
L10 "12R@100MHz" T_PANASONIC_EXC14CH120U 39.45,106.9 r180 top locked
L11 "12R@100MHz" T_PANASONIC_EXC14CH120U 39.875,113 r180 top locked
L12 "12R@100MHz" T_PANASONIC_EXC14CH120U 78.8,17.5 r270 top locked
L13 "220R@100MHz" INDC1608X95N 43.3,103.9 r180 top locked
L14 "1.5uH" T_INDM110100 78.2,41.6 r0 top locked
L15 "1uH" T_INDM_PA4340 25.725,29 r270 top locked
L16 "2.2uH" IND-BOURNS-SRP4020TA 85.9,52 r90 top locked
L17 "1.2uH" IND-BOURNS-SRP4020TA 5.9,92.2 r270 top locked
L18 "36R@100MHz" T_LAIRD_35F0121-0SR-10 82.2,39.1 r90 bottom locked
L19 "36R@100MHz" T_LAIRD_35F0121-0SR-10 42.3,39.4 r180 bottom locked
L20 "36R@100MHz" T_LAIRD_35F0121-0SR-10 53.4,19.8 r180 bottom locked
L21 "220R@100MHz" INDC1608X95N 80.8,51.4 r270 top locked
L22 "33R@100MHz" INDC1608X95N 98.9,65.1 r180 bottom locked
L23 "5R@100MHz" INDC1005X60N 14.3,105 r180 bottom locked
L24 "5R@100MHz" INDC1005X60N 16.8,109.5 r90 top locked
L25 "5R@100MHz" INDC1005X60N 8.75,118.511 r90 bottom locked
L26 "5R@100MHz" INDC1005X60N 10.5,103.25 r180 top locked
L27 "5R@100MHz" INDC1005X60N 7,109.8 r90 top locked
L28 "5R@100MHz" INDC1005X60N 19.6,100.6 r180 top locked
L29 "5R@100MHz" INDC1005X60N 10.5,93.7 r0 top locked
L30 "5R@100MHz" INDC1005X60N 19.6,101.7 r180 bottom locked
L31 "5R@100MHz" INDC1005X60N 8.5,95.8 r90 top locked
L33 "12R@100MHz" T_PANASONIC_EXC14CH120U 13.25,54 r180 top locked
L34 "12R@100MHz" T_PANASONIC_EXC14CH120U 13.25,55.5 r180 top locked
L35 "12R@100MHz" T_PANASONIC_EXC14CH120U 13.225,57 r180 top locked
L36 "12R@100MHz" T_PANASONIC_EXC14CH120U 13.275,61.5 r180 top locked
L37 "12R@100MHz" T_PANASONIC_EXC14CH120U 13.25,63 r180 top locked
L38 "12R@100MHz" T_PANASONIC_EXC14CH120U 77.6,17.5 r270 top locked
L39 "12R@100MHz" T_PANASONIC_EXC14CH120U 76.4,17.5 r270 top locked
L40 "12R@100MHz" T_PANASONIC_EXC14CH120U 75.2,17.5 r270 top locked
L43 "220R@100MHz" INDC1608X95N 68,109.7 r180 top locked
L44 "120R@100MHz" INDC1005X60N 68.4,99.7 r0 top locked
L45 "120R@100MHz" INDC1005X60N 67.9,106.2 r270 bottom locked
L47 "12R@100MHz" T_PANASONIC_EXC14CH120U 63.25,107.65 r270 top locked
L48 "36R@100MHz" T_LAIRD_35F0121-0SR-10 40.4,10.2 r0 top locked
LED1 "LTST-C190GKT" T_LITEON_LTST-C190GKT 62,29.4 r0 top locked
LED2 "LTST-C190GKT" T_LITEON_LTST-C190GKT 40.9,117.6 r0 top locked
LED3 "LTST-C190GKT" T_LITEON_LTST-C190GKT 20.8,114.2 r0 top locked
LED4 "LTST-C190GKT" T_LITEON_LTST-C190GKT 20.8,117.6 r0 top locked
LED5 "LTST-C190GKT" T_Liteon_LTST-C190GKT 29.55,95.7 r180 top locked
LED6 "LTST-C190KRKT" T_LITEON_LTST-C190KRKT 53.7,25.2 r0 top locked
LED7 "LTST-C190GKT" T_LITEON_LTST-C190GKT 105.5,112 r0 top locked
LED8 "LTST-C190KRKT" T_LITEON_LTST-C190KRKT 53.7,28 r0 top locked
LED10 "LTST-C190KRKT" T_LITEON_LTST-C190KRKT 53.7,30.8 r0 top locked
LED11 "LTST-C190GKT" T_LITEON_LTST-C190GKT 53.8,44.8 r0 top locked
LED12 "LTST-C190GKT" T_LITEON_LTST-C190GKT 53.8,36.4 r0 top locked
LED13 "LTST-C190KRKT" T_LITEON_LTST-C190KRKT 53.8,33.6 r0 top locked
LED14 "LTST-C190GKT" T_LITEON_LTST-C190GKT 62,32.2 r0 top locked
LED15 "LTST-C190GKT" T_LITEON_LTST-C190GKT 62,35 r0 top locked
LED16 "LTST-C190GKT" T_LITEON_LTST-C190GKT 62,37.8 r0 top locked
LED17 "LTST-C190GKT" T_LITEON_LTST-C190GKT 62,40.6 r0 top locked
LED18 "LTST-C190GKT" T_LITEON_LTST-C190GKT 105.5,93 r0 top locked
LED19 "LTST-C190GKT" T_LITEON_LTST-C190GKT 105.5,90.5 r0 top locked
LED20 "LTST-C190GKT" T_LITEON_LTST-C190GKT 105.5,88 r0 top locked
LED21 "LTST-C190GKT" T_LITEON_LTST-C190GKT 105.5,85.5 r0 top locked
LED22 "LTST-C190GKT" T_LITEON_LTST-C190GKT 53.8,39.2 r0 top locked
LED23 "LTST-C190KSKT" T_LITEON_LTST-C190KSKT 105.5,99.5 r0 top locked
LED24 "LTST-C190KSKT" T_LITEON_LTST-C190KSKT 105.5,102 r0 top locked
LED25 "LTST-C190KSKT" T_LITEON_LTST-C190KSKT 105.5,104.5 r0 top locked
LED26 "LTST-C190KSKT" T_LITEON_LTST-C190KSKT 105.5,107 r0 top locked
LED27 "LTST-C190KSKT" T_LITEON_LTST-C190KSKT 105.5,109.5 r0 top locked
LED28 "LTST-C190GKT" T_LITEON_LTST-C190GKT 105.5,97 r0 top locked
LED29 "LTST-C190GKT" T_LITEON_LTST-C190GKT 53.8,42 r0 top locked
MECH1 "MECH-Mini-PCIe Latch" MECH-MOLEX-48099-5701 41.3,85.5 r270 bottom locked
MECH2 "Wurth-9774070243R" MECH-WURTH-9774070243R 26.375,59.85 r0 top locked
MECH3 "Wurth-9774070243R" MECH-WURTH-9774070243R 106.375,59.85 r0 top locked
MECH4 "Wurth-9774080360R" MECH-WURTH-9774080360R 46,4 r0 top locked
MECH5 "Wurth-9774080360R" MECH-WURTH-9774080360R 14,4 r0 top locked
MECH6 "Wurth-9774080360R" MECH-WURTH-9774080360R 14,46 r0 top locked
MECH7 "Wurth-9774080360R" MECH-WURTH-9774080360R 46,46 r0 top locked
MECH8 "Wurth-9774025243R" MECH-WURTH-9774025243R 33.775,90.85 r0 top locked
MECH9 "Wurth-9774025243R" MECH-WURTH-9774025243R 98.975,90.85 r0 top locked
MECH12 "MECH-Fiducial" T_FIDUCIAL 6.5,114.5 r90 top locked
MECH13 "MECH-Fiducial" T_FIDUCIAL 115,112 r90 top locked
MECH14 "MECH-Fiducial" T_FIDUCIAL 8,49 r90 top locked
MECH15 "MECH-Fiducial" T_FIDUCIAL 111,3 r90 top locked
MECH16 "MECH-Fiducial" T_FIDUCIAL 6.5,114.5 r90 bottom locked
MECH17 "MECH-Fiducial" T_FIDUCIAL 115,112 r90 bottom locked
MECH18 "MECH-Fiducial" T_FIDUCIAL 8,49 r90 bottom locked
MECH19 "MECH-Fiducial" T_FIDUCIAL 111,3 r90 bottom locked
MECH20 "MECH-Fiducial" T_FIDUCIAL 4,7 r90 bottom locked
MECH21 "MECH-Fiducial" T_FIDUCIAL 4,7 r90 top locked
MECH22 "MECH-Fiducial" T_FIDUCIAL 68.5,12 r90 top locked
MECH23 "MECH-CE-Marking" T_CE_Marking 50.8,84.2 r180 top locked
MECH24 "MECH-Fiducial" T_Fiducial 48,22 r90 top locked
MECH25 "MECH-Fiducial" T_Fiducial 75.5,32 r90 top locked
MECH26 "MECH-Fiducial" T_Fiducial 46,93 r90 top locked
MECH27 "MECH-Fiducial" T_Fiducial 62,34 r90 bottom locked
MECH28 "MECH-Fiducial" T_Fiducial 74,63 r90 bottom locked
OSC1 "QC3225.0000H47R3" OSC-SMD-3.2MMX2.5MM 29.3,83.3 r270 top locked value="25 MHz"
OSC2 "HKC3225SX-12MHz-29105-R4V1" OSC-SMD-3.2MMX2.5MM 66.9,107 r0 top locked value="12 MHz"
R1 "0R" T_RESC0603X30N 17.6,71.8 r90 top locked
R2 "5.1K" T_RESC0603X30N 98.6,85 r180 bottom locked
R3 "100K" RESC1005X40N 15.8,70.2 r0 top locked
R4 "56R" T_RESC0603X30N 10.7,74.5 r270 top locked
R5 "56R" T_RESC0603X30N 10.7,77.1 r90 top locked
R6 "10K" RESC1005X40N 83.5,15.4 r0 top locked
R7 "0R" T_RESC0603X30N 92.4,51 r180 bottom locked
R8 "0R" T_RESC0603X30N 92.4,49.8 r180 bottom locked
R9 "0R" T_RESC0603X30N 73.2,12.2 r270 top locked
R10 "27K" RESC1005X40N 83.5,9.6 r0 top locked
R11 "1.8K" RESC1005X40N 71.5,10.3 r180 top locked
R12 "1.8K" RESC1005X40N 71.5,11.8 r180 top locked
R13 "0R" T_RESC0603X30N 52.5,103.4 r90 top locked
R14 "100K" RESC1005X40N 52.2,101.7 r180 top locked
R15 "100K" RESC1005X40N 78.5,50 r270 top locked
R16 "100K" RESC1005X40N 54.7,99.775 r90 top locked
R17 "28.7K" T_RESC0603X30N 53.6,100 r90 top locked
R18 "10K" T_RESC0603X30N 59.8,107.7 r0 top locked
R19 "10K" T_RESC0603X30N 56.8,107.8 r90 top locked
R20 "887K" RESC1005X40N 57.3,103.4 r270 top locked
R21 "10K" T_RESC0603X30N 59.8,108.9 r0 top locked
R22 "100K" RESC1005X40N 64.8,101.4 r90 top locked
R23 "1M" RESC3216X75N 54.4,116.7 r90 top locked
R24 "2.2K" RESC1005X40N 38.4,117.6 r0 top locked value=2.2KR
R25 "0R" T_RESC0603X30N 49.6,97 r0 top locked
R26 "1M" RESC3216X75N 28.6,116.6 r90 bottom locked
R27 "2.2K" RESC1005X40N 18.9,114.6 r270 top locked value=2.2KR
R28 "2.2K" RESC1005X40N 18.9,118 r270 top locked value=2.2KR
R29 "0R" T_RESC0603X30N 46.6,99.6 r180 top locked
R30 "100K" RESC1005X40N 79.5,50 r270 top locked
R31 "22R" RESC1005X40N 33.92,83.925 r180 bottom locked
R32 "22R" RESC1005X40N 79.5,51.9 r270 top locked
R33 "100K" RESC1005X40N 34.9,87 r270 bottom locked
R34 "0R" T_RESC0603X30N 31.8,84.8 r270 bottom locked
R35 "100K" RESC1005X40N 33.9,84.925 r180 bottom locked
R36 "100K" RESC1005X40N 16.8,87.8 r180 top locked
R37 "10K" RESC1005X40N 18.4,83.3 r270 bottom locked